# Altium PCB PCB-Mezzanine.PcbDoc (part 1 of 2)
Units mm, origin at the board's own origin, x right, y up, seen from the top; angles counter-clockwise.
Board outline 133.2 x 100 mm, 6 copper layers (Top Layer, Mid-Layer 1, Mid-Layer 2, Mid-Layer 3, Mid-Layer 4, Bottom Layer); 364 components, 255 nets, 1152 pads, 44 vias.
Unrouted connection lines stored in the file: 771.
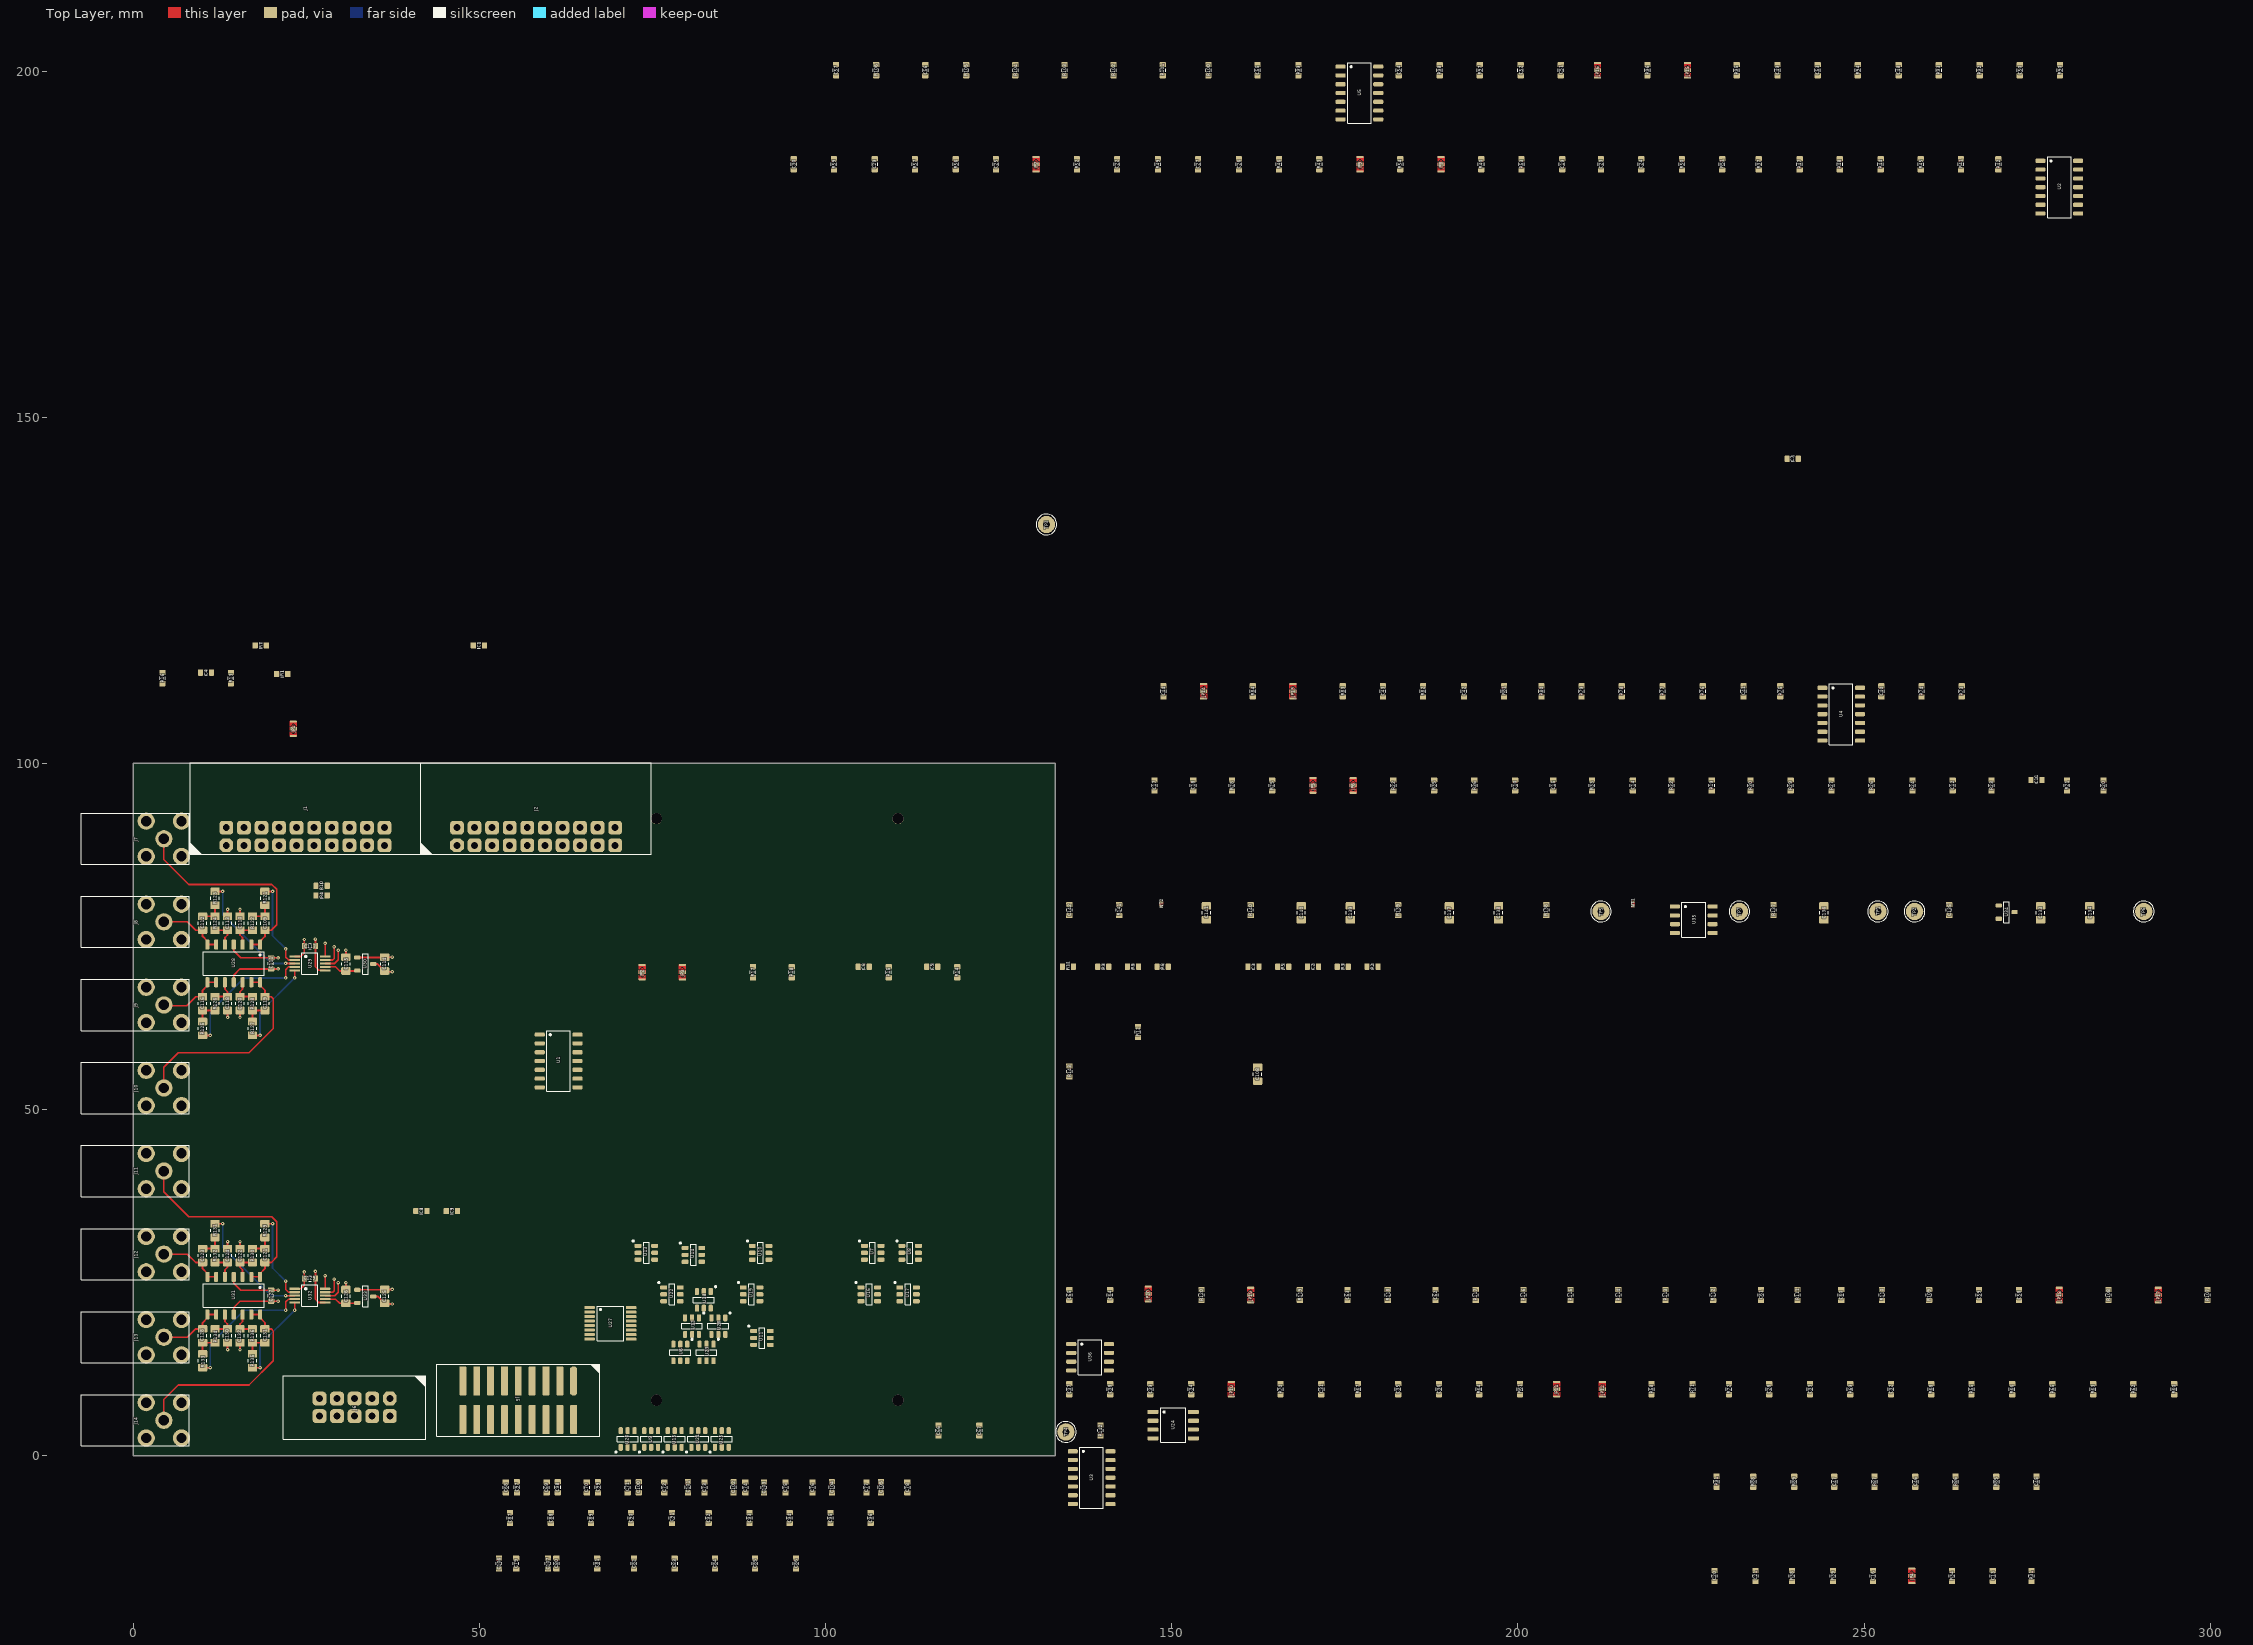
[diagram p0: Top Layer view]
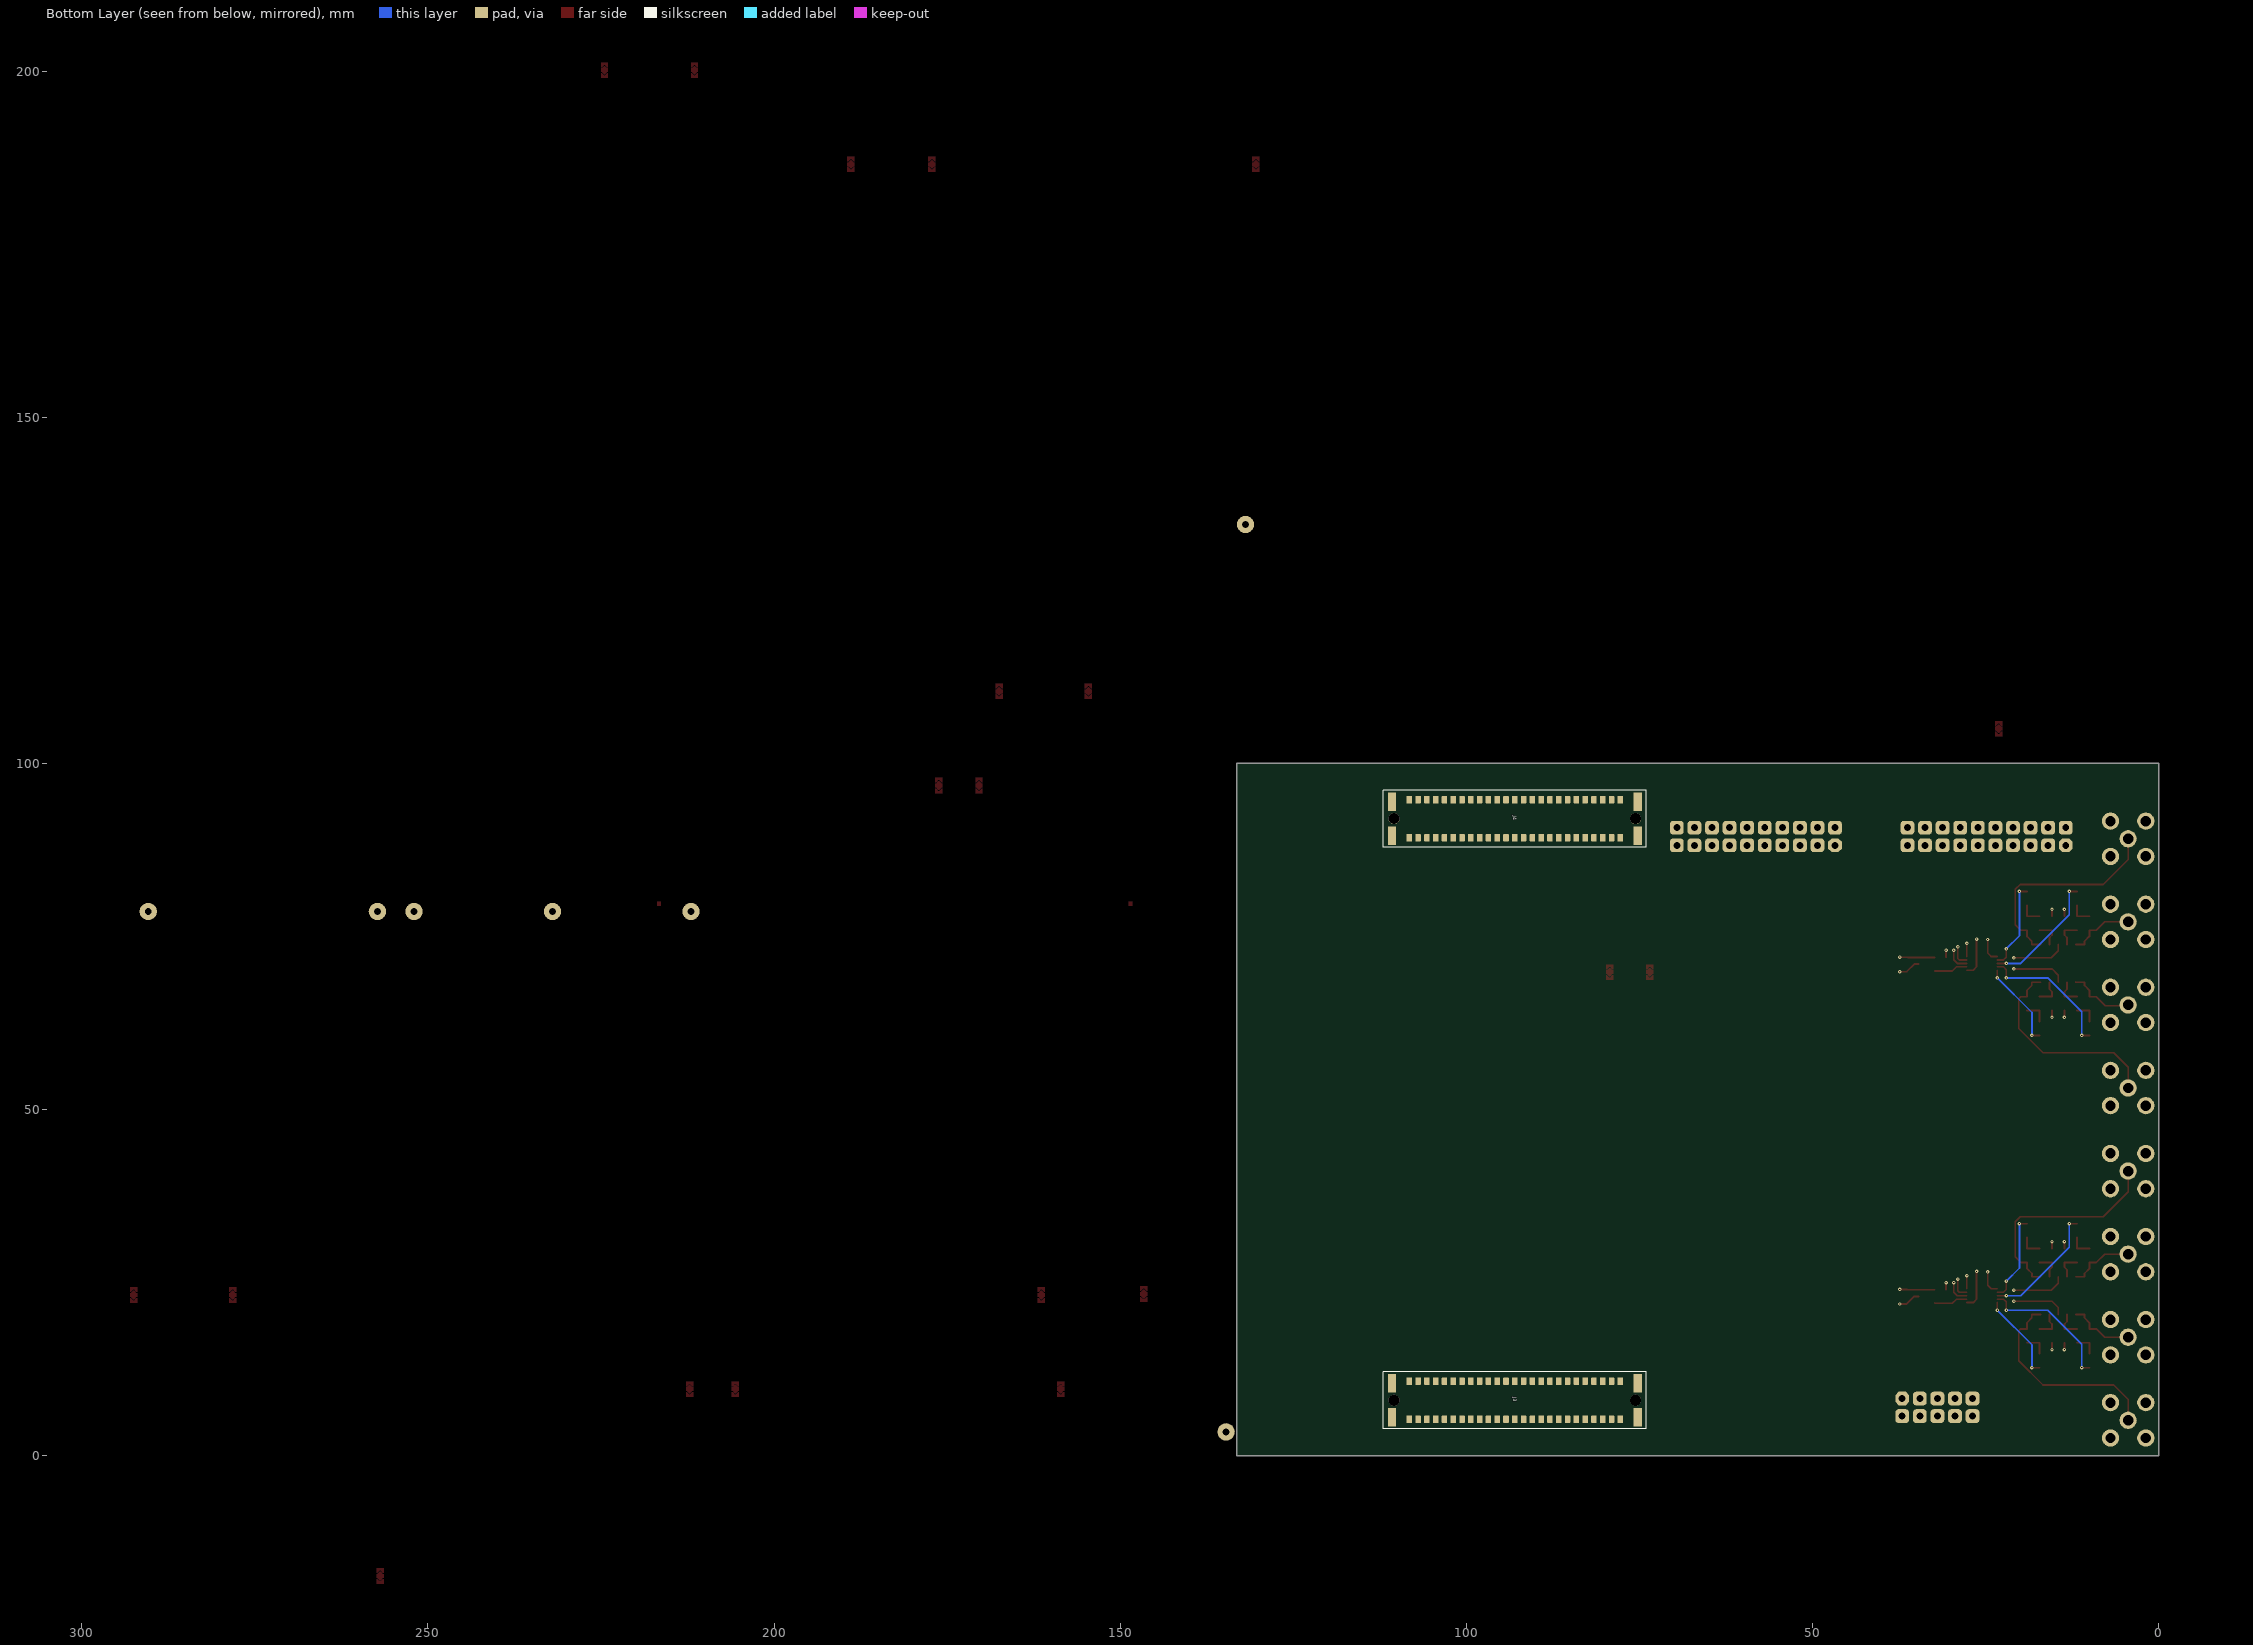
[diagram p1: Bottom Layer view, seen from below]

## Layer stack, top to bottom
Top Solder: solder mask 0.0102, Solder Resist, Dk 3.5
Top Layer: signal copper 0.0356
Dielectric 1: dielectric 0.32, FR-4, Dk 4.8
Mid-Layer 1: signal copper 0.0356
Dielectric2: dielectric 0.32, FR-4, Dk 4.8
Mid-Layer 2: signal copper 0.0356
Dielectric3: dielectric 0.32, FR-4, Dk 4.8
Mid-Layer 3: signal copper 0.0356
Dielectric4: dielectric 0.32, FR-4, Dk 4.8
Mid-Layer 4: signal copper 0.0356
Dielectric5: dielectric 0.32, FR-4, Dk 4.8
Bottom Layer: signal copper 0.0356
Bottom Solder: solder mask 0.0102, Solder Resist, Dk 3.5

## Board outline
0,0 133.2,0 133.2,100 0,100

## Design rules (kind name [scope] priority, off if disabled: settings)
Clearance [All] p1: gap=0.15 ignorepadtopadclearanceinfootprint=FALSE
DiffPairsRouting [All] p1: maxlimit=0.254 minlimit=0.254 mostfreqgap=0.254 toplayer_minwidth=0.381 toplayer_maxwidth=0.381 toplayer_prefwidth=0.381 midlayer1_minwidth=0.381 midlayer1_maxwidth=0.381 midlayer1_prefwidth=0.381 midlayer2_minwidth=0.381 midlayer2_maxwidth=0.381 midlayer2_prefwidth=0.381 midlayer3_minwidth=0.381 midlayer3_maxwidth=0.381 midlayer3_prefwidth=0.381 midlayer4_minwidth=0.381 midlayer4_maxwidth=0.381 midlayer4_prefwidth=0.381 bottomlayer_minwidth=0.381 bottomlayer_maxwidth=0.381 bottomlayer_prefwidth=0.381 maxuncoupledlength=12.7
PolygonConnect [All] p1: connectstyle=Relief reliefconductorwidth=0.254 reliefentries=4 polygonreliefangle="90 Angle" airgapwidth=0.254
RoutingVias [All] p1: holewidth=0.711 width=1.27 viastyle="Through Hole" minholewidth=0.4 minwidth=0.7 maxholewidth=0.4 maxwidth=0.7 useviatemplates=TRUE viatemplateguid#1={638B2761-D415-4EA3-BE83-1858EFD4C6BD} viatemplatename#1=v50h15m0mx0
SilkToSilkClearance [All] p1 off: silktosilkclearance=0.254
SolderMaskExpansion [All] p1: expansion=0.102
Width [All] p1: maxlimit=3 minlimit=0.25 preferedwidth=0.25
28 further rules are at their usual default settings.

## Classes and differential pairs
component class AD_0: C1 C2 C3 C4 C5 C6 C7 C8 C9 C10 C11 C12 C13 C14 C15 C16 C17 C18 C19 C20 C21 C22 C23 C24 C25 C26 C27 C28 C29 C30 C31 C32 C33 C34 C35 C36 C37 C38 C39 JP1 JP2 JP3 JP4 JP5 JP6 JP7 JP8 JP9 JP10 JP11 JP12 R1 R2 R3 R4 R5 R6 R7 R8 R9 R10 R11 R12 R13 R14 R15 R16 R17 R18 R19 R20 R21 R22 R23 R24 R25 R26 R27 R28 R29 R30 R31 R32 R33 R34 R35 R36 R37 R38 R39 R40 R41 R42 R43 R44 R45 R46 R47 R48 R49 R50 R51 R52 R53 R54 R55 R56 R57 R58 R59 R60 R61 R62 R63 R64 R65 R66 R67 R68 R69 R70 R71 R72 U1 U2 U3
component class AD_1: C40 C41 C42 C43 C44 C45 C46 C47 C48 C49 C50 C51 C52 C53 C54 C55 C56 C57 C58 C59 C60 C61 C62 C63 C64 C65 JP13 JP14 JP15 JP16 JP17 JP18 JP19 JP20 R73 R74 R75 R76 R77 R78 R79 R80 R81 R82 R83 R84 R85 R86 R87 R88 R89 R90 R91 R92 R93 R94 R95 R96 R97 R98 R99 R100 R101 R102 R103 R104 R105 R106 R107 R108 R109 R110 R111 R112 R113 R114 R115 R116 R117 R118 R119 R120 U4 U5
component class AD_3: C66 C67 C68 C69 C70 C71 C72 C73 C74 C75 C76 C77 C78 C79 C80 C81 C82 C83 C84 C85 C86 C87 C88 C89 C90 C91 C92 C93 C94 C95 C96 C97 C98 C99 C100 C101 C102 C103 C104 C105 C106 C107 R142 TP3 TP4 U6 U7 U8 U9 U10 U11 U12 U13 U14 U15 U16 U17 U18 U19 U20 U21 U22 U23 U24 U25 U26
component class Connector_0: C108 J1 J2 J3 J4 J5 J6 R143 U27 U36
component class DAC_0: C109 C110 C111 C112 C113 C114 C115 C116 C117 C118 C119 C120 C121 C122 C123 C124 C125 C126 C127 C128 C129 C130 C131 C132 J7 J8 J9 J10 J11 J12 J13 J14 R121 R122 R123 R124 R125 R126 R127 R128 R129 R130 R131 R132 R133 R134 R135 R136 U28 U29 U30 U31 U32 U33
component class Supply_0: C133 C134 C135 C136 C137 C138 C139 C140 C141 C142 NT1 NT2 R137 R138 R139 R140 R141 TP1 TP2 TP5 TP6 TP7 U34 U35
differential pair MEAS_0: +MEAS_0_P -MEAS_0_N
differential pair MEAS_1: +MEAS_1_P -MEAS_1_N
differential pair MEAS_2: +MEAS_2_P -MEAS_2_N
differential pair MEAS_3: +MEAS_3_P -MEAS_3_N
differential pair MEAS_4: +MEAS_4_P -MEAS_4_N
differential pair MEAS_5: +MEAS_5_P -MEAS_5_N
differential pair MEAS_6: +MEAS_6_P -MEAS_6_N
differential pair MEAS_7: +MEAS_7_P -MEAS_7_N
differential pair MEAS_8: +MEAS_8_P -MEAS_8_N
differential pair MEAS_9: +MEAS_9_P -MEAS_9_N
differential pair MEAS_10: +MEAS_10_P -MEAS_10_N
differential pair MEAS_11: +MEAS_11_P -MEAS_11_N
differential pair MEAS_12: +MEAS_12_P -MEAS_12_N
differential pair MEAS_13: +MEAS_13_P -MEAS_13_N
differential pair MEAS_14: +MEAS_14_P -MEAS_14_N
differential pair MEAS_15: +MEAS_15_P -MEAS_15_N
differential pair MEAS_16: +MEAS_16_P -MEAS_16_N
differential pair MEAS_17: +MEAS_17_P -MEAS_17_N
differential pair MEAS_18: +MEAS_18_P -MEAS_18_N
differential pair MEAS_19: +MEAS_19_P -MEAS_19_N
differential pair \S\P\I\C\_\S\T\E\: +\S\P\I\C\_\S\T\E\_P -\S\P\I\C\_\S\T\E\_N
differential pair SPIC_CLK: +SPIC_CLK_P -SPIC_CLK_N
differential pair SPIC_SIMO: +SPIC_SIMO_P -SPIC_SIMO_N
differential pair SPIC_SOMI: +SPIC_SOMI_P -SPIC_SOMI_N

## Components (designator, comment, footprint, x,y, rotation, side; value= is the part's Value field where it differs from the comment)
C1 "47p" "CAPACITOR 1608 REFLOW" 49.898,117.025 r0 top
C2 "47p" "CAPACITOR 1608 REFLOW" 170.398,70.625 r0 top
C3 "47p" "CAPACITOR 1608 REFLOW" 161.798,70.625 r0 top
C4 "2n2" "CAPACITOR 1608 REFLOW" 10.5,113.1 r0 top
C5 "2n2" "CAPACITOR 1608 REFLOW" 115.398,70.625 r0 top
C6 "2n2" "CAPACITOR 1608 REFLOW" 105.498,70.625 r0 top
C7 "47p" "CAPACITOR 1608 REFLOW" 239.699,144 r0 top
C8 "47p" "CAPACITOR 1608 REFLOW" 41.599,35.325 r0 top
C9 "47p" "CAPACITOR 1608 REFLOW" 45.999,35.325 r0 top
C10 "47p" "CAPACITOR 1608 REFLOW" 199.599,96.8 r90 top
C11 "47p" "CAPACITOR 1608 REFLOW" 274.899,97.6 r0 top
C12 "47p" "CAPACITOR 1608 REFLOW" 262.799,96.8 r90 top
C13 "2n2" "CAPACITOR 1608 REFLOW" 268.599,-17.375 r90 top
C14 "2n2" "CAPACITOR 1608 REFLOW" 216.599,96.8 r90 top
C15 "2n2" "CAPACITOR 1608 REFLOW" 205.099,96.8 r90 top
C16 "47p" "CAPACITOR 1608 REFLOW" 251.299,-17.375 r90 top
C17 "47p" "CAPACITOR 1608 REFLOW" 147.499,96.8 r90 top
C18 "47p" "CAPACITOR 1608 REFLOW" 153.099,96.8 r90 top
C19 "47p" "CAPACITOR 1608 REFLOW" 206.399,186.525 r90 top
C20 "47p" "CAPACITOR 1608 REFLOW" 228.399,-17.375 r90 top
C21 "47p" "CAPACITOR 1608 REFLOW" 234.299,-17.375 r90 top
C22 "2n2" "CAPACITOR 1608 REFLOW" 142.099,186.525 r90 top
C23 "2n2" "CAPACITOR 1608 REFLOW" 211.999,186.525 r90 top
C24 "2n2" "CAPACITOR 1608 REFLOW" 217.799,186.525 r90 top
C25 "47p" "CAPACITOR 1608 REFLOW" 124.599,186.525 r90 top
C26 "47p" "CAPACITOR 1608 REFLOW" 159.699,186.525 r90 top
C27 "47p" "CAPACITOR 1608 REFLOW" 153.799,186.525 r90 top
C28 "47p" "CAPACITOR 1608 REFLOW" 236.299,9.6 r90 top
C29 "47p" "CAPACITOR 1608 REFLOW" 107.099,186.525 r90 top
C30 "47p" "CAPACITOR 1608 REFLOW" 95.399,186.525 r90 top
C31 "2n2" "CAPACITOR 1608 REFLOW" 171.6,9.6 r90 top
C32 "2n2" "CAPACITOR 1608 REFLOW" 253.899,9.6 r90 top
C33 "2n2" "CAPACITOR 1608 REFLOW" 242.199,9.6 r90 top
C34 "47p" "CAPACITOR 1608 REFLOW" 152.8,9.6 r90 top
C35 "47p" "CAPACITOR 1608 REFLOW" 182.7,9.6 r90 top
C36 "47p" "CAPACITOR 1608 REFLOW" 188.6,9.6 r90 top
C37 "100n" "CAPACITOR 1608 REFLOW" 135.2,9.6 r90 top
C38 "100n" "CAPACITOR 1608 REFLOW" 141.1,9.6 r90 top
C39 "100n" "CAPACITOR 1608 REFLOW" 146.9,9.6 r90 top
C40 "47p" "CAPACITOR 1608 REFLOW" 252.499,110.4 r90 top
C41 "47p" "CAPACITOR 1608 REFLOW" 232.599,110.4 r90 top
C42 "2n2" "CAPACITOR 1608 REFLOW" 192.199,110.4 r90 top
C43 "2n2" "CAPACITOR 1608 REFLOW" 180.499,110.4 r90 top
C44 "47p" "CAPACITOR 1608 REFLOW" 148.799,110.4 r90 top
C45 "47p" "CAPACITOR 1608 REFLOW" 274.899,-3.775 r90 top
C46 "47p" "CAPACITOR 1608 REFLOW" 257.399,-3.775 r90 top
C47 "47p" "CAPACITOR 1608 REFLOW" 245.699,-3.775 r90 top
C48 "2n2" "CAPACITOR 1608 REFLOW" 254.999,200.125 r90 top
C49 "2n2" "CAPACITOR 1608 REFLOW" 237.499,200.125 r90 top
C50 "100n" "CAPACITOR 1608 REFLOW" 272.499,200.125 r90 top
C51 "47p" "CAPACITOR 1608 REFLOW" 206.199,200.125 r90 top
C52 "47p" "CAPACITOR 1608 REFLOW" 200.399,200.125 r90 top
C53 "100n" "CAPACITOR 1608 REFLOW" 243.299,200.125 r90 top
C54 "47p" "CAPACITOR 1608 REFLOW" 182.799,200.125 r90 top
C55 "47p" "CAPACITOR 1608 REFLOW" 162.399,200.125 r90 top
C56 "2n2" "CAPACITOR 1608 REFLOW" 114.399,200.125 r90 top
C57 "2n2" "CAPACITOR 1608 REFLOW" 101.499,200.125 r90 top
C58 "47p" "CAPACITOR 1608 REFLOW" 272.399,23.2 r90 top
C59 "47p" "CAPACITOR 1608 REFLOW" 266.599,23.2 r90 top
C60 "47p" "CAPACITOR 1608 REFLOW" 246.699,23.2 r90 top
C61 "47p" "CAPACITOR 1608 REFLOW" 235.099,23.2 r90 top
C62 "2n2" "CAPACITOR 1608 REFLOW" 188.1,23.2 r90 top
C63 "2n2" "CAPACITOR 1608 REFLOW" 175.4,23.2 r90 top
C64 "47p" "CAPACITOR 1608 REFLOW" 141.1,23.2 r90 top
C65 "47p" "CAPACITOR 1608 REFLOW" 135.2,23.2 r90 top
C66 "1uF" "CAPACITOR 1608 REFLOW" 116.299,3.625 r90 top
C67 "2uF" "CAPACITOR 1608 REFLOW" 122.199,3.625 r90 top
C68 "1uF" "CAPACITOR 1608 REFLOW" 53.8,-4.6 r90 top
C69 "10nF" "CAPACITOR 1608 REFLOW" 59.7,-4.6 r90 top
C70 "1uF" "CAPACITOR 1608 REFLOW" 65.5,-4.6 r90 top
C71 "10nF" "CAPACITOR 1608 REFLOW" 71.4,-4.6 r90 top
C72 "1uF" "CAPACITOR 1608 REFLOW" 76.7,-4.6 r90 top
C73 "10nF" "CAPACITOR 1608 REFLOW" 82.5,-4.6 r90 top
C74 "1uF" "CAPACITOR 1608 REFLOW" 88.4,-4.6 r90 top
C75 "10nF" "CAPACITOR 1608 REFLOW" 94.2,-4.6 r90 top
C76 "1uF" "CAPACITOR 1608 REFLOW" 98.1,-4.6 r90 top
C77 "10nF" "CAPACITOR 1608 REFLOW" 105.9,-4.6 r90 top
C78 "1uF" "CAPACITOR 1608 REFLOW" 111.8,-4.6 r90 top
C79 "10nF" "CAPACITOR 1608 REFLOW" 55.3,-15.6 r90 top
C80 "1uF" "CAPACITOR 1608 REFLOW" 61.1,-15.6 r90 top